# Altium PCB IU5096T_DEMO_V1.PcbDoc
Units mm, origin at the board's own origin, x right, y up, seen from the top; angles counter-clockwise.
Board outline 51 x 48 mm, 2 copper layers (Top, Bottom), stack 0.323 mm thick; 26 components, 11 nets, 72 pads, 100 vias.
Unrouted connection lines stored in the file: 123.
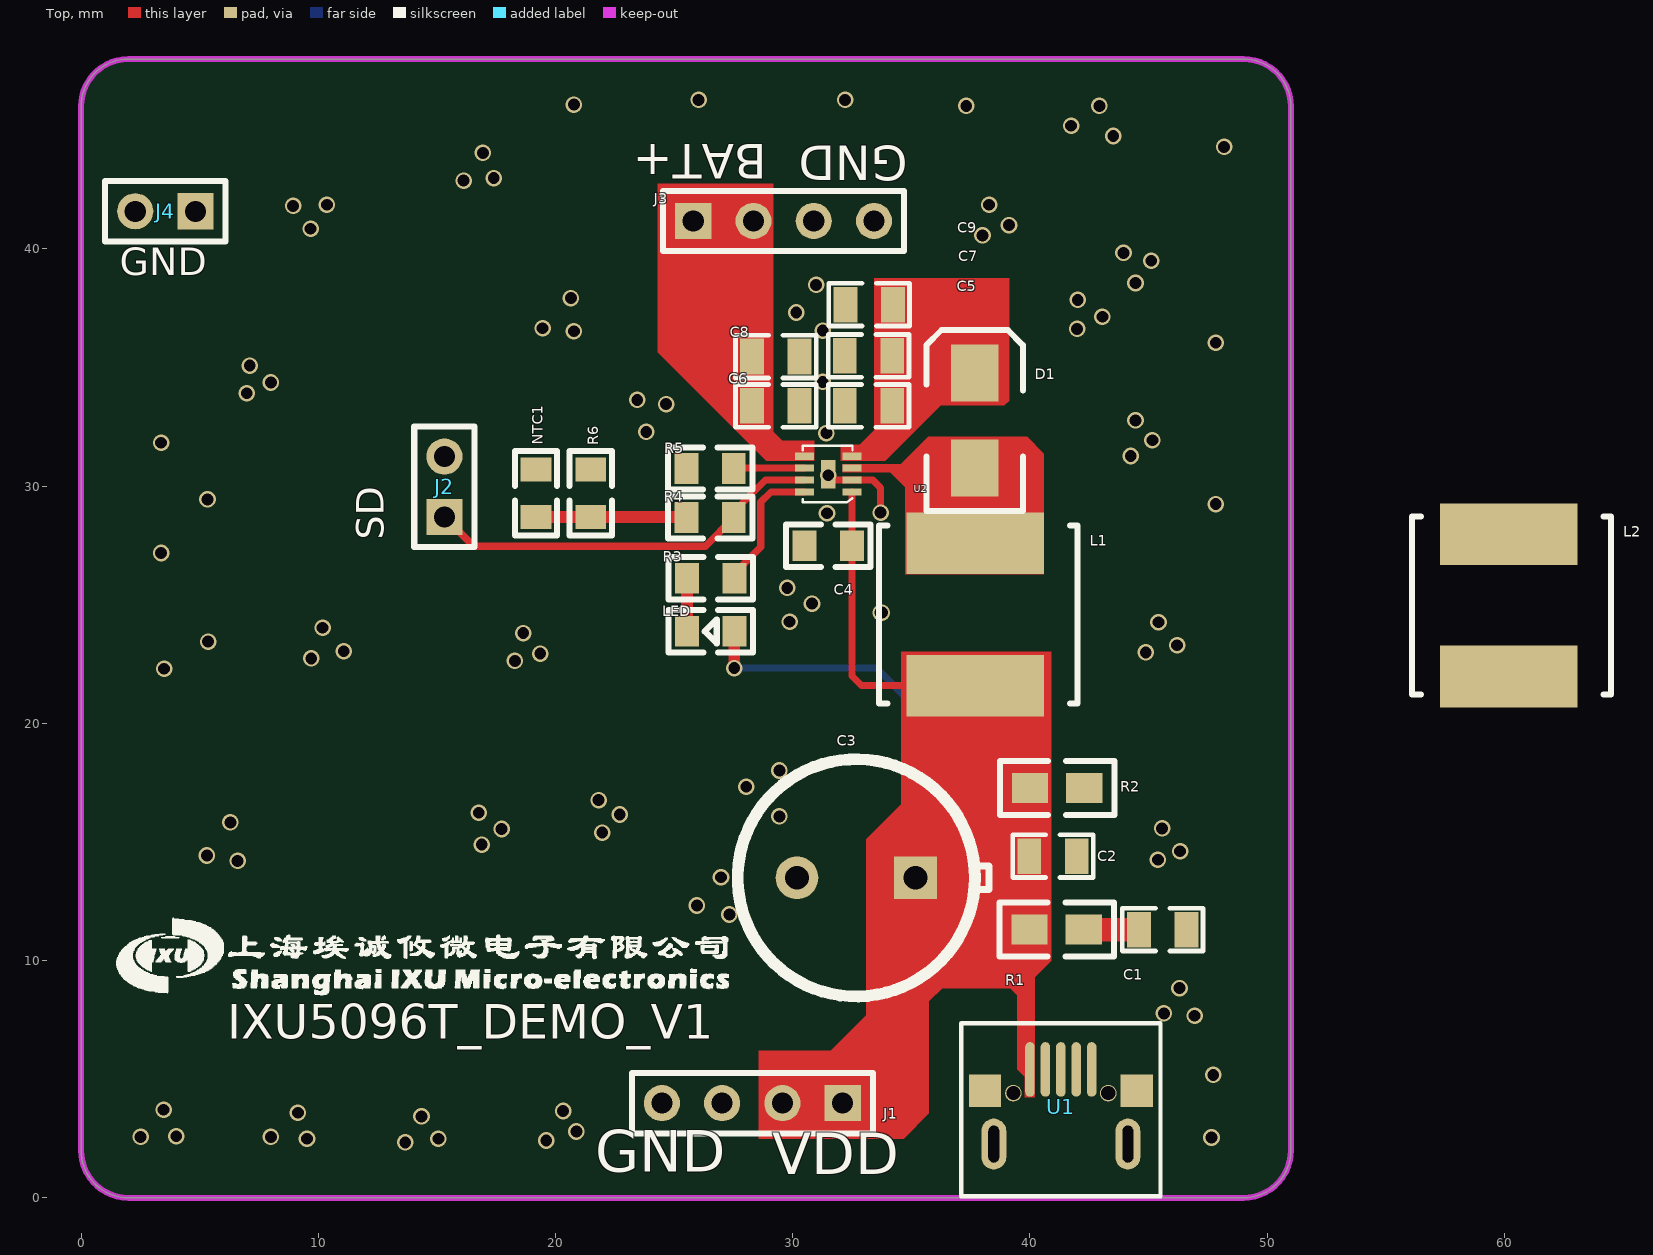
[diagram p0: Top view]
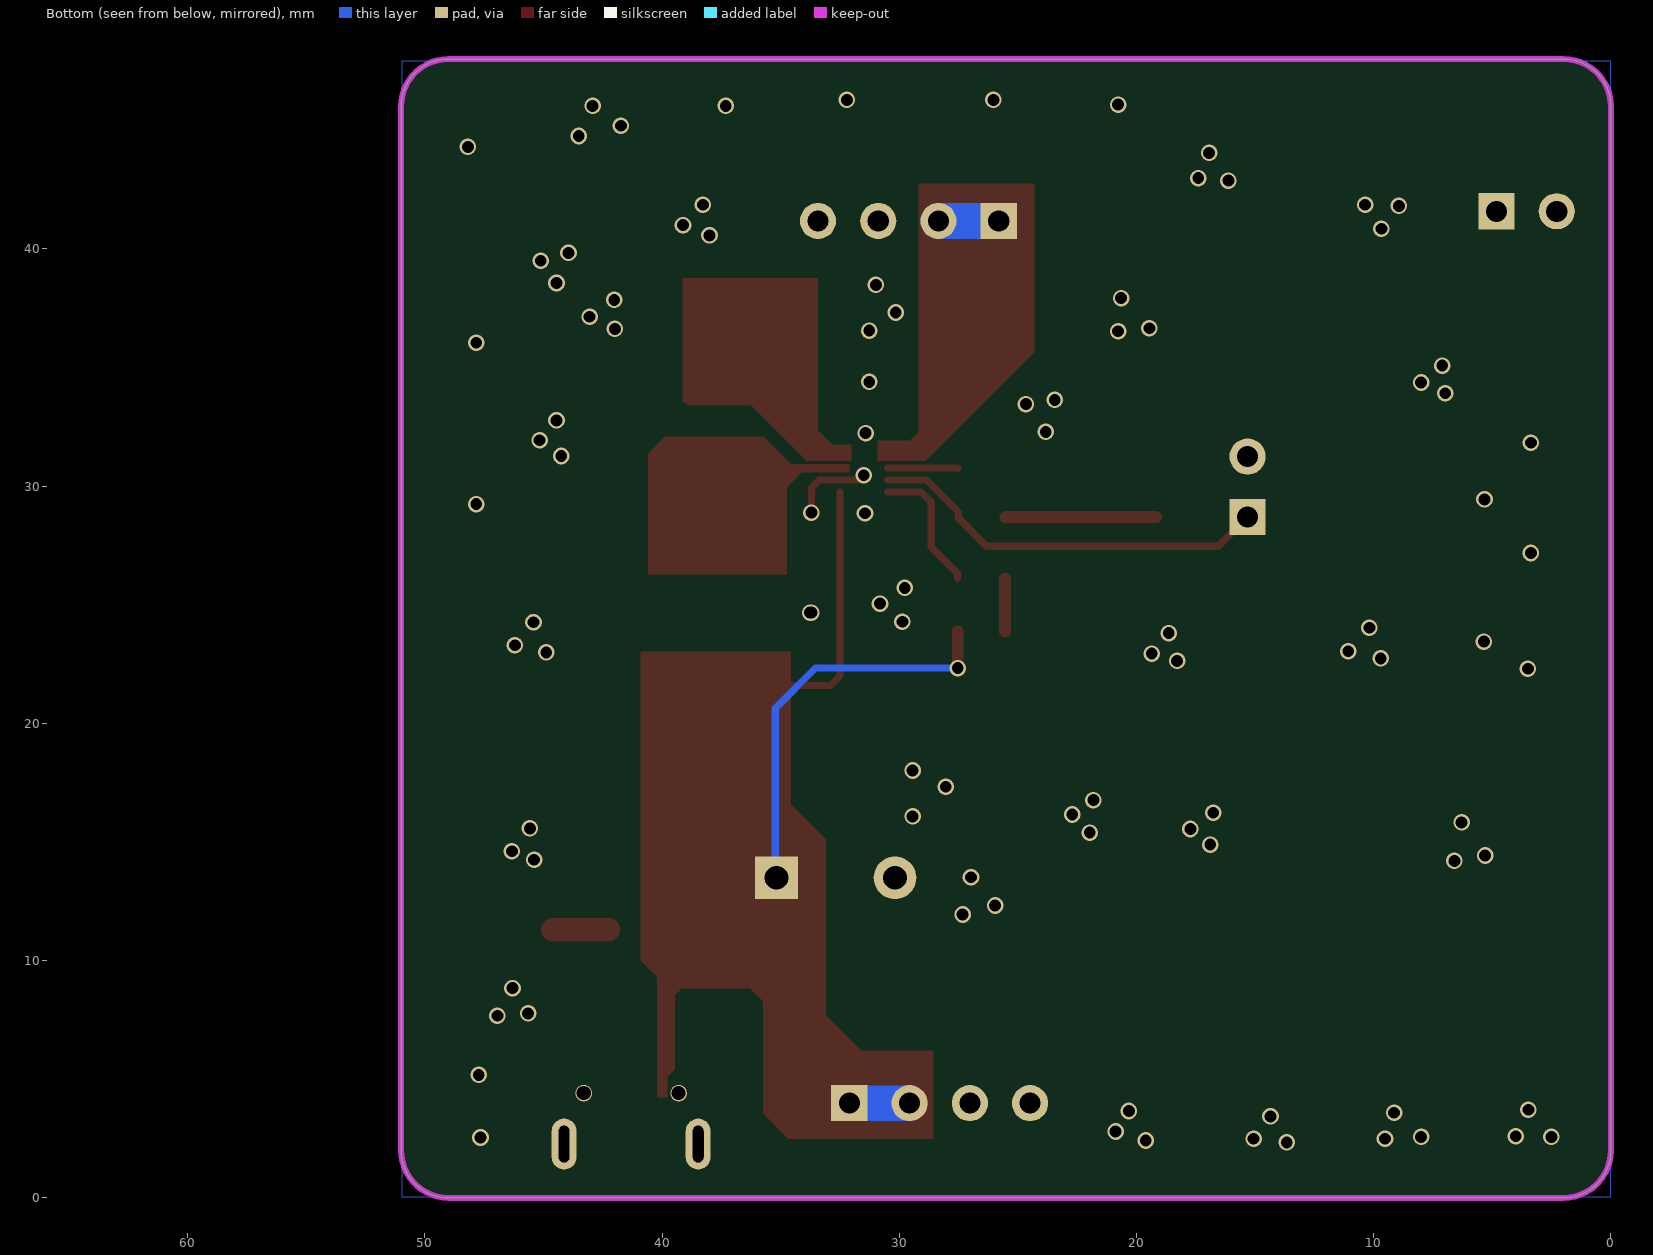
[diagram p1: Bottom view, seen from below]

## Layer stack, top to bottom
Solder Mask Top: solder mask 0.0102, Solder Resist, Dk 3.5
Top: signal copper 0.0343
Dielectric 1: dielectric 0.254, FR-4, Dk 4.3
Bottom: signal copper 0.0343
Solder Mask Bottom: solder mask 0.0102, Solder Resist, Dk 3.5

## Board outline
0,46 cw(c2,46) 2,48 49,48 cw(c49,46) 51,46 51,2 cw(c49,2) 49,0 2,0 cw(c2,2) 0,2

## Design rules (kind name [scope] priority, off if disabled: settings)
Clearance "Clearance - Default - DEFAULT- SMD" [IsVia vs IsSMTPin] p1: gap=0.2 ignorepadtopadclearanceinfootprint=FALSE
Clearance "Clearance - Default - DEFAULT - Via" [IsVia vs IsVia] p2: gap=0.2 ignorepadtopadclearanceinfootprint=FALSE
Clearance "Clearance - Default - DEFAULT - Net" [All] p3: gap=0.2 ignorepadtopadclearanceinfootprint=FALSE except(0: Arc-Hole Track-Hole SMDPad-Hole THPad-Hole Via-Hole Fill-Hole Poly-Hole Region-Hole Text-Hole; 0.254: Text-Text; 0.3: THPad-Fill THPad-Poly THPad-Region)
ComponentClearance "ComponentClearance - Default - DEFAULT" [All] p1: gap=0.2 collisioncheckmode=3 verticalgap=0.254 showdistances=FALSE
FanoutControl Fanout_Small [(CompPinCount < 5)] p3: bgadir=Out bgaviamode=Centered fanoutstyle=Auto fanoutdirection=OutThenIn viagrid=0.025 // Fanout_Small (Default Rule)
FanoutControl Fanout_SOIC [IsSOIC] p4: bgadir=Out bgaviamode=Centered fanoutstyle=Auto fanoutdirection=Alternating viagrid=0.025 // Fanout_SOIC (Default Rule)
HoleToHoleClearance "HoleToHoleClearance - Default - DEFAULT" [All] p1: gap=0.2 allowstackedmicrovias=TRUE
Length "Default Length" [All] p1: maxlimit=1270 minlimit=0
MaxMinImpedance "Default Impedance" [All] p1: minimum=50.00 maximum=150.0
ParallelSegment "Default Parallel Segment Adjasent" [All] p1: limit=25.4 gap=5.08
ParallelSegment "Default Parallel Segment Same Layer" [All] p2: limit=25.4 gap=5.08
PlaneConnect "Default PlaneConnect" [All] p1: planeconnectstyle=Direct reliefexpansion=0.508 reliefentries=4 reliefconductorwidth=0.381 reliefairgap=0.254
PolygonConnect "PolygonConnect - Default SMT" [IsSMTPin] p1: connectstyle=Direct reliefconductorwidth=0.254 reliefentries=4 polygonreliefangle="45 Angle" airgapwidth=0.254
PolygonConnect "PolygonConnect - Default Pad" [All] p2: connectstyle=Direct reliefconductorwidth=0.381 reliefentries=4 polygonreliefangle="45 Angle" airgapwidth=0.254
RoutingLayers "RoutingLayers - Default - DEFAULT" [All] p1: top layer_v5=TRUE bottom layer_v5=TRUE
RoutingPriority "RoutingPriority - Default - DEFAULT" [All] p1: routingpriority=3
RoutingTopology "Default Routing Topology" [All] p1: topology=Shortest
RoutingVias "RoutingVias - Default - DEFAULT" [All] p1: holewidth=0.5 width=0.7 viastyle="Through Hole" minholewidth=0.5 minwidth=0.7 maxholewidth=0.5 maxwidth=0.7
SMDToCorner "SMDToCorner - Default - DEFAULT" [All] p1: distance=78740
SolderMaskExpansion [All] p1: expansion=0.102 istentingtop=FALSE
Width "Default Width" [All] p1: maxlimit=1 minlimit=0.3 preferedwidth=0.3
20 further rules are at their usual default settings.

## Components (designator, comment, footprint, x,y, rotation, side; value= is the part's Value field where it differs from the comment)
C1 "C0805" C0805 45.593,11.303 r0 top
C2 "C0805" C0805 40.97,14.402 r0 top
C3 "RAD5" RAD5 35.179,13.487 r0 top
C4 "0603" 0603 31.496,27.483 r180 top
C5 "C0805" C0805 33.198,33.376 r0 top
C6 "C0805" C0805 29.286,33.376 r180 top
C7 "C0805" C0805 33.198,35.484 r0 top
C8 "C0805" C0805 29.286,35.458 r180 top
C9 "C0805" C0805 33.223,37.643 r0 top
D1 "SMA" SMA 37.668,32.766 r90 top
J1 "SIP-4P" SIP-4P 32.106,3.988 r180 top
J2 "SIP-2P" SIP-2P 15.316,28.702 r90 top
J3 "SIP-4P" SIP-4P 25.806,41.173 r0 top
J4 "SIP-2P" SIP-2P 4.826,41.58 r180 top
L1 "CD5845" CD5845 37.694,24.587 r270 top
L2 "CD5845" CD5845 60.173,24.968 r270 top
LED "0603A" 0603A 26.543,23.876 r0 top
NTC1 "0603" 0603 19.177,29.693 r90 top
R1 "0805" 0805 41.123,11.303 r0 top
R2 "0805" 0805 41.148,17.272 r0 top
R3 "0603" 0603 26.543,26.111 r0 top
R4 "0603" 0603 26.518,28.677 r0 top
R5 "0603" 0603 26.518,30.734 r0 top
R6 "0603" 0603 21.488,29.693 r90 top
U1 "MICROUSB" MICROUSB 41.3,2.261 r0 top
U2 "DFN2X2_8_0.5" DFN2X2_8_0.5 31.496,30.505 r90 top

## Footprints (in the part's own frame and the unit in brackets; to place one, negate y for a bottom-side part, rotate by r counter-clockwise, add the part's x,y. Pads: shape width x height; smd on the part's side, far side on the other; paste and mask are expansions set on the pad)
0603 [mm]
  rect 1x1.3 smd: 1(-1,0) 2(1,0)
  silkscreen extent -1.78,-0.89 1.78,0.89
0603A [mm]
  rect 1x1.3 smd: 1(-1,0) 2(1,0)
  silkscreen extent -1.78,-0.89 1.78,0.89
0805 [mil]
  rect 60x50 smd: 1(-45,0) 2(45,0)
  silkscreen extent -95,-45 95,45
C0805 [mm]
  rect 1x1.5 smd: 1(-1,0) 2(1,0)
  silkscreen extent -1.7,-0.9 1.7,0.9
CD5845 [mm]
  rect 2.6x5.8 smd: 1(-3,0) 2(3,0)
  silkscreen extent -3.75,-4.06 3.75,4.32
DFN2X2_8_0.5 [mm]
  rect 0.3x0.8 smd: 1(-0.75,-1) 2(-0.25,-1) 3(0.25,-1) 4(0.75,-1) 5(0.75,1) 6(0.25,1) 7(-0.25,1) 8(-0.75,1)
  rect 1.2x0.6 smd: 9(0,0)
  silkscreen extent -1.19,-1.02 1.2,1.08
MICROUSB [mm]
  oval 0.4x2.3 smd: 1(-1.3,3.15) 2(-0.65,3.15) 3(0,3.15) 4(0.65,3.15) 5(1.3,3.15)
  round 0.7 hole 0.6: 6(-2,2.15) 7(2,2.15)
  oval 1.05x2.15 hole 0.45 slot 1.55 at 90 deg: 8(-2.825,0) 9(2.825,0)
  rect 1.35x1.35 smd: 10(-3.2,2.25) 11(3.2,2.25)
  silkscreen extent -4.2,-2.2 4.2,5.1
RAD5 [mm]
  rect 1.8x1.8 / inner round 2.2 / far side rect 1.8x1.8 hole 1: 1(0,0)
  round 1.8 / inner round 2.2 / far side round 1.8 hole 1: 2(-5,0)
  silkscreen extent -7.5,-5 3.1,5
SIP-2P [mil]
  rect 60x60 / inner round 60 / far side rect 60x60 hole 35: 1(0,0)
  round 60 hole 35: 2(100,0)
  silkscreen extent -50,-50 150,50
SIP-4P [mil]
  rect 60x60 / inner round 60 / far side rect 60x60 hole 35: 1(0,0)
  round 60 hole 35: 2(100,0) 3(200,0) 4(300,0)
  silkscreen extent -50,-50 350,50
SMA [mm]
  rect 2.4x2 smd: 1(2,0) 2(-2,0)
  silkscreen extent -3.81,-2.03 3.81,2.03

## Via types
v1: diameter 0.7, hole 0.5, Top to Bottom, 100 vias

## Nets (pads, with @x,y where several pads share a name; then routed paths per layer and width w, separated by ;. In a path a pad name is that pad's centre, name@x,y a point inside that pad or via, vN(x,y) a via of type N, cw(c..) or ccw(c..) an arc to the next point about the centre after c; other vN are vias at no path point)
5V+: C2.1 C3.1 C4.1 J1.1 J1.2 L1.2 LED.2 R1.1 R2.1 U1.1 U2.1 | length 66.7
  Top w0.3: U2.1 C4.1 32.496,21.996 32.902,21.59 37.691,21.59 L1.2
  Top w0.4: J1.1 32.242,4.201 35.153,7.112 35.179,7.112 C3.1 39.98,13.487 ; L1.2 37.773,21.666 39.615,21.666 39.97,21.311 C2.1 39.98,14.392 39.98,13.487 ; U1.1 40,11.282 R1.1 39.98,13.487
  Top w0.5: v1(27.534,22.327) 27.534,23.867 LED.2
  Bottom w0.3: v1(27.534,22.327) 33.528,22.327 35.23,20.625 35.23,13.538 C3.1
  Bottom w1.5: J1.2 J1.1
$$$1: NTC1.1 R4.1 R6.1 | length 6.3
  Top w0.5: NTC1.1 R6.1 25.502,28.693 R4.1
$$$3: C1.1 R1.2 | length 2.3
  Top w1: R1.2 C1.1
$$$5: LED.1 R3.1 | length 2.2
  Top w0.5: LED.1 R3.1
BAT+: C6.2 C8.2 J3.1 J3.2 U2.5 | length 14.1
  Top w0.3: C8.2 C8.2@28.286,35.408 ; J3.2 28.286,41.113 C8.2@28.286,35.408 ; U2.5 29.4,31.255 29.388,31.267 29.328,31.267 28.286,32.309 C6.2 C8.2@28.286,35.408
  Bottom w1.5: J3.1 J3.2
GND: C1.2 C2.2 C3.2 C4.2 C5.1 C6.1 C7.1 C8.1 C9.1 J1.3 J1.4 J2.2 J3.3 J3.4 J4.1 J4.2 NTC1.2 R2.2 R5.1 R6.2 U1.5 U1.6 U1.7 U1.8 U1.9 U1.10 U1.11 U2.2 U2.9 | length 3.7
  Top w0.3: U2.9 31.572,30.505 31.572,30.255 U2.2 33.376,30.255 33.706,29.925 v1(33.706,28.88) ; v1(33.706,24.663) v1(33.757,24.663)
  Bottom w0.3: v1(33.706,24.663) v1(33.757,24.663)
  other v1: 13.665,2.337 19.609,2.413 9.525,2.489 15.062,2.489 47.65,2.54 2.515,2.565 8.001,2.565 4.013,2.591 20.879,2.794 14.351,3.429 9.144,3.581 20.32,3.658 3.48,3.708 47.727,5.182 46.939,7.671 45.644,7.772 46.304,8.839 27.33,11.938 25.959,12.319 26.975,13.513 6.604,14.199 45.39,14.249 5.309,14.427 46.33,14.605 16.891,14.884 21.971,15.392 17.729,15.545 45.568,15.57 6.299,15.824 29.439,16.078 22.708,16.154 16.764,16.231 21.819,16.764 28.042,17.323 29.439,18.009 3.505,22.301 18.288,22.631 9.703,22.733 19.355,22.936 44.882,22.987 11.074,23.038 46.203,23.292 5.359,23.444 18.644,23.8 10.185,24.028 45.415,24.257 29.87,24.282 30.81,25.044 29.769,25.705 3.378,27.178 31.445,28.854 47.828,29.235 5.334,29.439 31.496,30.455 44.247,31.267 3.378,31.826 45.161,31.928 31.42,32.233 23.825,32.283 44.45,32.766 24.663,33.452 23.444,33.63 6.985,33.909 8.001,34.366 31.267,34.392 7.112,35.077 47.828,36.043 20.777,36.525 31.267,36.551 41.986,36.627 19.456,36.652 43.053,37.135 30.15,37.313 42.012,37.846 20.65,37.922 30.988,38.481 44.45,38.557 45.11,39.497 43.942,39.827 37.998,40.564 9.677,40.843 39.116,40.996 8.941,41.808 10.363,41.859 38.278,41.859 16.129,42.875 17.399,42.977 16.942,44.044 48.184,44.298 43.51,44.755 41.732,45.187 37.313,46.025 42.926,46.025 20.777,46.076 26.035,46.279 32.207,46.279
ICHG: R5.2 U2.6 | length 3
  Top w0.3: R5.2 27.539,30.755 U2.6
LX: D1.2 L1.1 U2.3 | length 8.4
  Top w0.3: U2.3 37.658,30.755 D1.2 37.694,30.741 L1.1
NTC: J2.1 R4.2 U2.7 | length 17
  Top w0.3: J2.1 16.557,27.461 26.318,27.461 27.518,28.661 R4.2 27.508,28.686 27.508,28.909 28.854,30.255 U2.7
STAT: R3.2 U2.8 | length 5.7
  Top w0.3: R3.2 27.543,26.324 28.651,27.432 28.651,29.324 29.083,29.755 U2.8
VBS: C5.2 C7.2 C9.2 D1.1 U2.4 | length 13.7
  Top w0.3: U2.4 33.731,31.255 34.163,31.687 34.163,33.341 C5.2 ; C9.2 34.198,37.617 C5.2 ; D1.1 36.95,35.484 C7.2 C5.2
pads on no net: L2.1 L2.2 U1.2 U1.3 U1.4

## Polygon pours and split planes (outlines as drawn)
GND on Bottom (solid, remove dead copper, pour order 1): 0.025,47.93 0.025,0.025 50.952,0.025 50.952,47.93

## Keep-outs
Keep-Out Layer:
  the board outline again, w0.254

## Other copper
Top:
  region net VBS: 33.426,38.76 33.426,32.36 32.817,31.75 32.029,31.75 32.029,31.064 33.909,31.064 36.246,33.401 38.913,33.401 39.116,33.604 39.116,38.76 33.426,38.76
  region net 5V+: 28.575,6.198 28.575,2.489 34.671,2.489 35.738,3.556 35.738,8.28 36.297,8.839 39.167,8.839 39.472,8.534 39.472,5.41 39.776,5.105 39.776,4.242 40.208,4.242 40.208,9.296 40.894,9.982 40.894,23.012 34.569,23.012 34.569,16.586 33.096,15.113 33.096,7.696 31.598,6.198 28.575,6.198
  region net LX: 34.747,26.289 34.747,29.947 34.112,30.582 32.106,30.582 32.106,30.912 34.544,30.912 35.712,32.08 39.878,32.08 40.589,31.369 40.589,26.289 34.747,26.289
  region net BAT+: 24.308,42.748 24.308,35.636 28.88,31.064 30.912,31.064 30.912,31.902 29.566,31.902 29.185,32.283 29.185,42.748 24.308,42.748

## Silkscreen, mask and mechanical layers (free items; w line width, h text height)
Silkscreen Top:
  drawing of 200800 lines, arcs and shapes, not listed
  text "BAT+" at 28.905,44.882 h2.5 r180
  text "GND" at 34.849,44.831 h2.5 r180
  text "GND" at 1.626,38.481 h2
  text "SD" at 13.157,27.737 h2 r90
  text "IXU5096T_DEMO_V1" at 6.172,6.223 h2.5
  text "GND" at 21.666,0.508 h3
  text "VDD" at 29.134,0.406 h3
Solder Mask Bottom:
  region: 28.423,34.849 28.423,27.102 34.9,27.102 34.9,34.849 28.423,34.849